# KiCad board niu.kicad_pcb
title: niu; rev: v1.0.0; company: Unknown
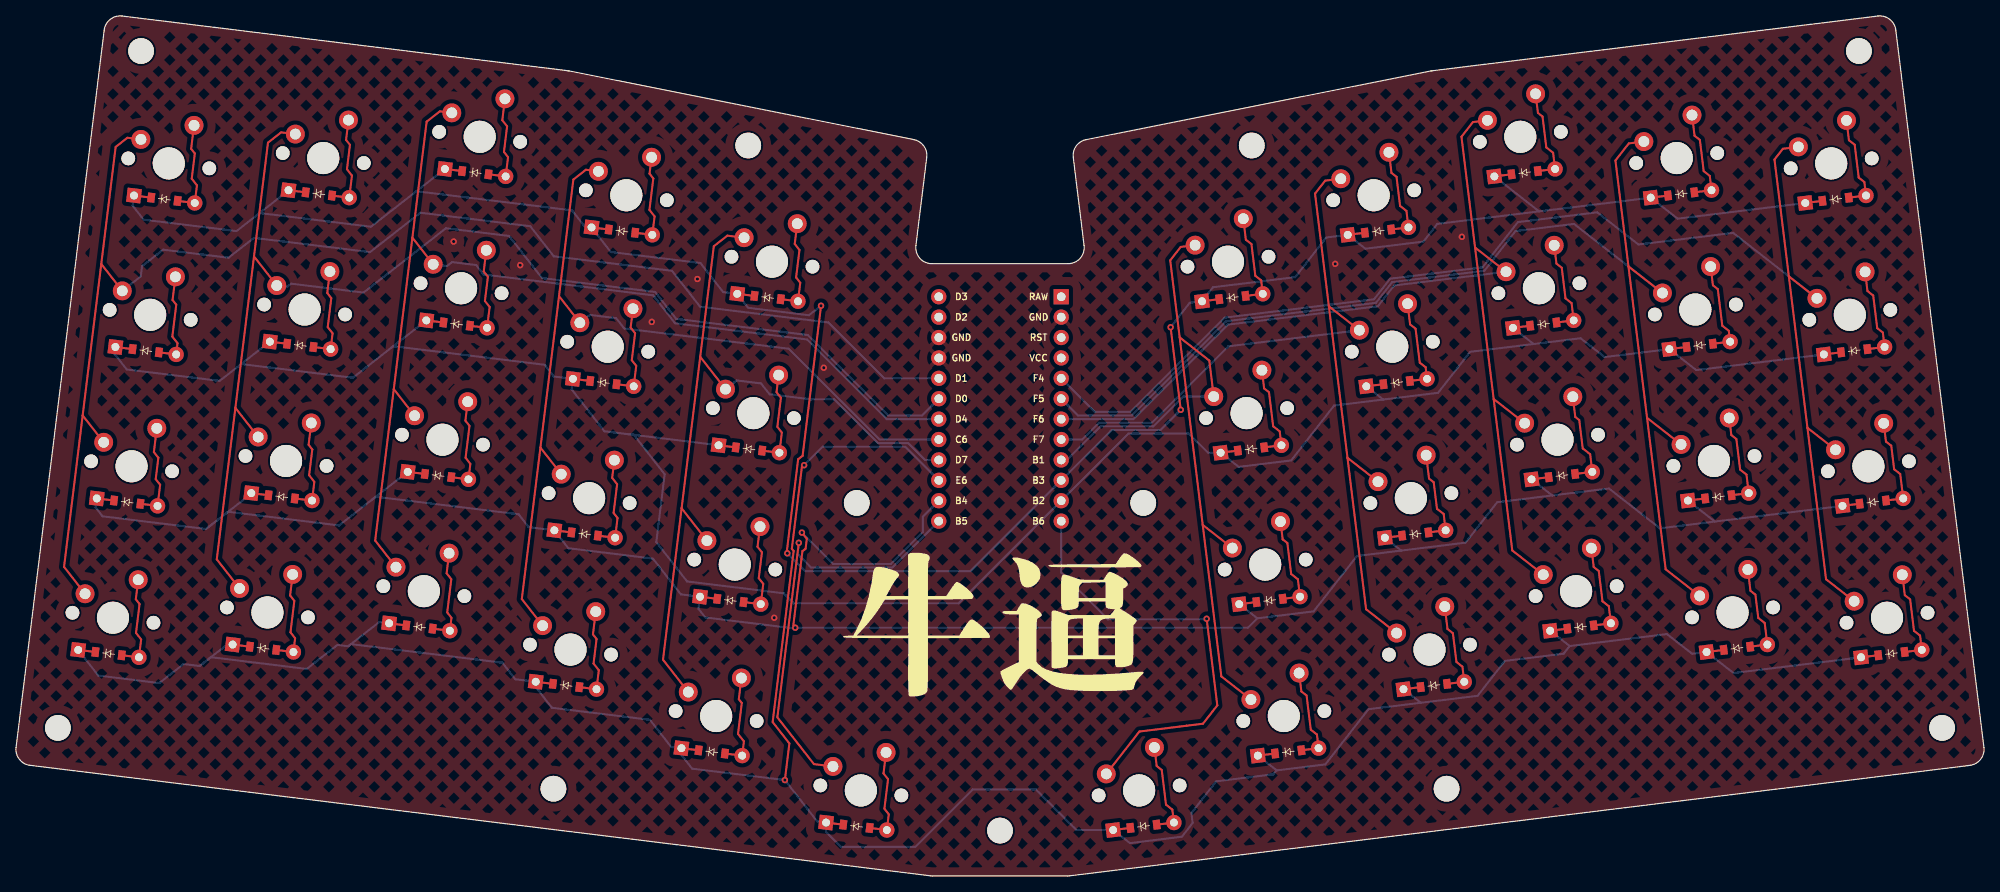
[diagram p0: board, top side]
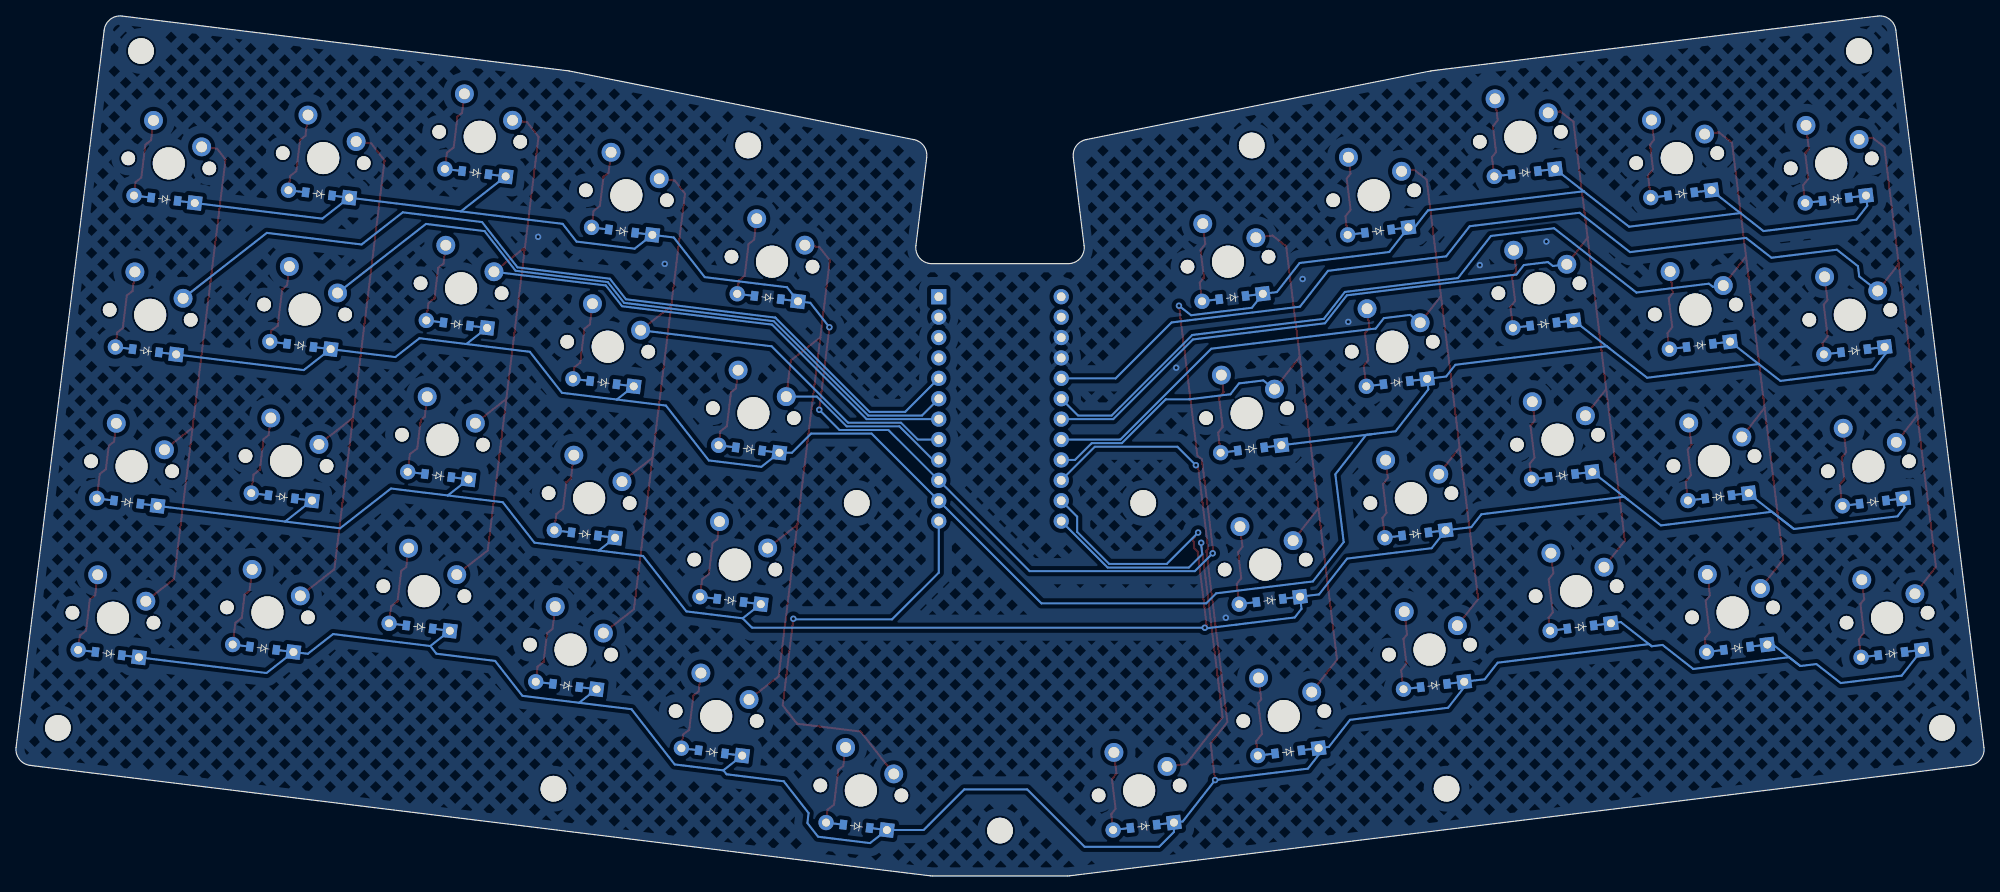
[diagram p1: board, bottom side, seen from below]

Outline 244.89 x 107.07 mm; copper layers: Top, Bottom. Coordinates in mm from the lower left corner of the outline.
Outline path: 0,16 10.97,105.33 arc(11.72,106.66) 13.2,107.07 68.71,100.25 arc(68.78,100.24) 68.85,100.23 111.74,91.69 arc(112.97,90.9) 113.33,89.48 111.98,78.48 arc(112.47,76.91) 113.96,76.24 130.93,76.24 arc(132.43,76.91) 132.91,78.48 131.56,89.48 arc(131.93,90.9) 133.16,91.69 176.04,100.23 arc(176.11,100.24) 176.19,100.25 231.7,107.07 arc(233.17,106.66) 233.93,105.33 244.89,16 arc(244.48,14.53) 243.15,13.77 131.12,0.01 arc(130.99,0) 130.87,0 114.02,0 arc(113.9,0) 113.78,0.01 1.74,13.77 arc(0.41,14.53) 0,16

## Placement (name value [footprint] x y rotation side)
D1  -  [ComboDiode]  11.51 27.68 353 top
D2  -  [ComboDiode]  13.83 46.54 353 top
D3  -  [ComboDiode]  16.14 65.4 353 top
D4  -  [ComboDiode]  18.46 84.26 353 top
D5  -  [ComboDiode]  30.73 28.35 353 top
D6  -  [ComboDiode]  33.05 47.2 353 top
D7  -  [ComboDiode]  35.36 66.06 353 top
D8  -  [ComboDiode]  37.68 84.92 353 top
D9  -  [ComboDiode]  50.2 30.99 353 top
D10  -  [ComboDiode]  52.52 49.85 353 top
D11  -  [ComboDiode]  54.83 68.71 353 top
D12  -  [ComboDiode]  57.15 87.57 353 top
D13  -  [ComboDiode]  68.45 23.72 353 top
D14  -  [ComboDiode]  70.77 42.57 353 top
D15  -  [ComboDiode]  73.08 61.43 353 top
D16  -  [ComboDiode]  75.4 80.29 353 top
D17  -  [ComboDiode]  86.58 15.44 353 top
D18  -  [ComboDiode]  88.89 34.3 353 top
D19  -  [ComboDiode]  91.21 53.16 353 top
D20  -  [ComboDiode]  93.52 72.02 353 top
D21  -  [ComboDiode]  104.58 6.18 353 top
D22  -  [ComboDiode]  233.38 27.68 7 top
D23  -  [ComboDiode]  231.07 46.54 7 top
D24  -  [ComboDiode]  228.75 65.4 7 top
D25  -  [ComboDiode]  226.44 84.26 7 top
D26  -  [ComboDiode]  214.16 28.35 7 top
D27  -  [ComboDiode]  211.84 47.2 7 top
D28  -  [ComboDiode]  209.53 66.06 7 top
D29  -  [ComboDiode]  207.21 84.92 7 top
D30  -  [ComboDiode]  194.69 30.99 7 top
D31  -  [ComboDiode]  192.38 49.85 7 top
D32  -  [ComboDiode]  190.06 68.71 7 top
D33  -  [ComboDiode]  187.75 87.57 7 top
D34  -  [ComboDiode]  176.44 23.72 7 top
D35  -  [ComboDiode]  174.13 42.57 7 top
D36  -  [ComboDiode]  171.81 61.43 7 top
D37  -  [ComboDiode]  169.5 80.29 7 top
D38  -  [ComboDiode]  158.32 15.44 7 top
D39  -  [ComboDiode]  156 34.3 7 top
D40  -  [ComboDiode]  153.69 53.16 7 top
D41  -  [ComboDiode]  151.37 72.02 7 top
D42  -  [ComboDiode]  140.31 6.18 7 top
G***  -  [LOGO]  121.98 31.63 0 top
MCU1  -  [ProMicro]  122.45 58.15 270 top
NOREF  -  [MountingHole_3.2mm_M3]  15.55 102.72 353 top
NOREF#2  -  [MountingHole_3.2mm_M3]  91.11 90.95 353 top
NOREF#3  -  [MountingHole_3.2mm_M3]  122.45 5.65 0 top
NOREF#4  -  [MountingHole_3.2mm_M3]  5.21 18.43 353 top
NOREF#5  -  [MountingHole_3.2mm_M3]  66.87 10.86 353 top
NOREF#6  -  [MountingHole_3.2mm_M3]  239.69 18.43 7 top
NOREF#7  -  [MountingHole_3.2mm_M3]  229.34 102.72 7 top
NOREF#8  -  [MountingHole_3.2mm_M3]  104.62 46.45 353 top
NOREF#9  -  [MountingHole_3.2mm_M3]  140.27 46.45 7 top
NOREF#10  -  [MountingHole_3.2mm_M3]  153.78 90.95 7 top
NOREF#11  -  [MountingHole_3.2mm_M3]  178.02 10.86 7 top
S1  -  [MX]  12.06 32.15 353 top
S2  -  [MX]  14.37 51.01 353 top
S3  -  [MX]  16.69 69.87 353 top
S4  -  [MX]  19 88.73 353 top
S5  -  [MX]  31.28 32.81 353 top
S6  -  [MX]  33.6 51.67 353 top
S7  -  [MX]  35.91 70.53 353 top
S8  -  [MX]  38.23 89.39 353 top
S9  -  [MX]  50.75 35.46 353 top
S10  -  [MX]  53.07 54.32 353 top
S11  -  [MX]  55.38 73.18 353 top
S12  -  [MX]  57.7 92.04 353 top
S13  -  [MX]  69 28.18 353 top
S14  -  [MX]  71.31 47.04 353 top
S15  -  [MX]  73.63 65.9 353 top
S16  -  [MX]  75.95 84.76 353 top
S17  -  [MX]  87.13 19.91 353 top
S18  -  [MX]  89.44 38.77 353 top
S19  -  [MX]  91.76 57.63 353 top
S20  -  [MX]  94.07 76.49 353 top
S21  -  [MX]  105.13 10.65 353 top
S22  -  [MX]  232.84 32.15 7 top
S23  -  [MX]  230.52 51.01 7 top
S24  -  [MX]  228.2 69.87 7 top
S25  -  [MX]  225.89 88.73 7 top
S26  -  [MX]  213.61 32.81 7 top
S27  -  [MX]  211.3 51.67 7 top
S28  -  [MX]  208.98 70.53 7 top
S29  -  [MX]  206.67 89.39 7 top
S30  -  [MX]  194.14 35.46 7 top
S31  -  [MX]  191.83 54.32 7 top
S32  -  [MX]  189.51 73.18 7 top
S33  -  [MX]  187.2 92.04 7 top
S34  -  [MX]  175.89 28.18 7 top
S35  -  [MX]  173.58 47.04 7 top
S36  -  [MX]  171.26 65.9 7 top
S37  -  [MX]  168.95 84.76 7 top
S38  -  [MX]  157.77 19.91 7 top
S39  -  [MX]  155.45 38.77 7 top
S40  -  [MX]  153.14 57.63 7 top
S41  -  [MX]  150.82 76.49 7 top
S42  -  [MX]  139.76 10.65 7 top

## Footprints (pads in the part's own frame, mm; a bottom-side part is the same pattern mirrored in y, then rotated)
ComboDiode
  rect 1.778x1.778 hole 0.991: 1(-3.81,0)
  rect 0.9x1.2 smd: 1(-1.65,0) 2(1.65,0)
  rect 0.9x1.2 smd far side: 1(-1.65,0) 2(1.65,0)
  round 1.905 hole 0.991: 2(3.81,0)
MountingHole_3.2mm_M3
  round 3.2 hole 3.2 unplated: (0,0)
MX
  round 1.702 hole 1.702 unplated: (-5.08,0) (5.08,0)
  round 3.988 hole 3.988 unplated: (0,0)
  round 2.35 hole 1.35: 1(2.54,5.08) 2(-3.81,2.54)
ProMicro
  rect 1.9x1.9 hole 1.092: 1(-13.97,7.62)
  round 1.9 hole 1.092: 2(-11.43,7.62) 3(-8.89,7.62) 4(-6.35,7.62) 5(-3.81,7.62) 6(-1.27,7.62) 7(1.27,7.62) 8(3.81,7.62) 9(6.35,7.62) 10(8.89,7.62) 11(11.43,7.62) 12(13.97,7.62) 13(-13.97,-7.62) 14(-11.43,-7.62) 15(-8.89,-7.62) 16(-6.35,-7.62) 17(-3.81,-7.62) 18(-1.27,-7.62) 19(1.27,-7.62) 20(3.81,-7.62) 21(6.35,-7.62) 22(8.89,-7.62) 23(11.43,-7.62) 24(13.97,-7.62)

## Nets
GND: MCU1.2 MCU1.15 MCU1.16
VCC: MCU1.4
B1: MCU1.9 S38.2 S39.2 S40.2 S41.2
B2: D3.1 D7.1 D11.1 D15.1 D19.1 D24.1 D28.1 D32.1 D36.1 D40.1 MCU1.11
B3: D4.1 D8.1 D12.1 D16.1 D20.1 D25.1 D29.1 D33.1 D37.1 D41.1 MCU1.10
B4: D2.1 D6.1 D10.1 D14.1 D18.1 D23.1 D27.1 D31.1 D35.1 D39.1 MCU1.23
B5: MCU1.24 S21.2
B6: MCU1.12 S42.2
C6: MCU1.20 S13.2 S14.2 S15.2 S16.2
D0: MCU1.18 S5.2 S6.2 S7.2 S8.2
D1: MCU1.17 S1.2 S2.2 S3.2 S4.2
D2: MCU1.14
D3: MCU1.13
D4: MCU1.19 S9.2 S10.2 S11.2 S12.2
D7: MCU1.21 S17.2 S18.2 S19.2 S20.2
E6: D1.1 D5.1 D9.1 D13.1 D17.1 D21.1 D22.1 D26.1 D30.1 D34.1 D38.1 D42.1 MCU1.22
F4: MCU1.5 S22.2 S23.2 S24.2 S25.2
F5: MCU1.6 S26.2 S27.2 S28.2 S29.2
F6: MCU1.7 S30.2 S31.2 S32.2 S33.2
F7: MCU1.8 S34.2 S35.2 S36.2 S37.2
index_bottom: D13.2 S13.1
index_home: D14.2 S14.1
index_num: D16.2 S16.1
index_top: D15.2 S15.1
inner_bottom: D17.2 S17.1
inner_home: D18.2 S18.1
inner_num: D20.2 S20.1
inner_top: D19.2 S19.1
middle_bottom: D9.2 S9.1
middle_home: D10.2 S10.1
middle_num: D12.2 S12.1
middle_top: D11.2 S11.1
mirror_index_bottom: D34.2 S34.1
mirror_index_home: D35.2 S35.1
mirror_index_num: D37.2 S37.1
mirror_index_top: D36.2 S36.1
mirror_inner_bottom: D38.2 S38.1
mirror_inner_home: D39.2 S39.1
mirror_inner_num: D41.2 S41.1
mirror_inner_top: D40.2 S40.1
mirror_middle_bottom: D30.2 S30.1
mirror_middle_home: D31.2 S31.1
mirror_middle_num: D33.2 S33.1
mirror_middle_top: D32.2 S32.1
mirror_pinky_bottom: D22.2 S22.1
mirror_pinky_home: D23.2 S23.1
mirror_pinky_num: D25.2 S25.1
mirror_pinky_top: D24.2 S24.1
mirror_ring_bottom: D26.2 S26.1
mirror_ring_home: D27.2 S27.1
mirror_ring_num: D29.2 S29.1
mirror_ring_top: D28.2 S28.1
mirror_thumb_bottom: D42.2 S42.1
pinky_bottom: D1.2 S1.1
pinky_home: D2.2 S2.1
pinky_num: D4.2 S4.1
pinky_top: D3.2 S3.1
RAW: MCU1.1
ring_bottom: D5.2 S5.1
ring_home: D6.2 S6.1
ring_num: D8.2 S8.1
ring_top: D7.2 S7.1
RST: MCU1.3
thumb_bottom: D21.2 S21.1

## Via types
v1: diameter 0.8, hole 0.4, Top to Bottom, 18 vias

## Routing (per net, layer and track width the routed paths; a pad name or vN(x,y) marks a point on that pad's centre or on a via; arc(x,y) is an arc through that point)
GND:
  vias: v1(54.46,78.99) v1(62.74,76.05) v1(79.11,68.99) v1(84.79,74.33) v1(94.35,32.15) v1(100.52,63.28) v1(164.17,76.21) v1(179.93,79.58)
B1: length 96.9
  Top w0.25: S38.2 149.99,24.85 147.67,43.71 ; 147.67,43.71 S39.2 ; 147.67,43.71 144.81,67.05 ; 144.81,67.05 143.63,76.65 144.93,78.32 S41.2 ; 144.81,67.05 148.49,64.17 S40.2
  Bottom w0.25: S40.2 145.23,59.68 141.53,55.98 134.95,55.98 130.77,51.8 MCU1.9
B2: length 326.6
  Top w0.25: D32.1 D32.1 ; D7.1 D7.1 ; D24.1 D24.1 ; D11.1 D11.1 ; D19.1 D19.1 ; D40.1 D40.1 ; D3.1 D3.1 ; D15.1 D15.1 ; D28.1 D28.1 ; D36.1 D36.1
  Bottom w0.25: D40.1 152.15,50.94 158.69,51.74 164.02,58.57 170.14,59.32 ; D40.1 148.34,52.7 145.96,55.08 138.43,55.08 MCU1.11 117.29,33.94 96.78,33.94 95.54,35.19 83.51,36.67 79.68,41.57 80.71,50.02 76.88,54.92 75.84,55.05 ; D40.1 149.52,52.2 ; D40.1 D40.1 ; 46.62,65.71 D11.1 D11.1 ; 46.62,65.71 46.94,65.96 65.78,63.65 66.92,62.19 D15.1 ; 46.62,65.71 41.91,62.03 28.01,63.74 28.01,63.74 ; D7.1 D7.1 28.01,63.74 ; 188.85,66.24 180.96,65.27 176.97,60.16 170.14,59.32 ; 188.85,66.24 D32.1 D32.1 ; 188.85,66.24 194.69,66.95 197.69,64.61 D28.1 ; 75.84,55.05 D19.1 D19.1 ; 75.84,55.05 73.22,55.37 69.14,60.59 D15.1 ; D36.1 D36.1 170.14,59.32 ; D28.1 D28.1 ; D28.1 209.09,62.99 D24.1 D24.1 ; D15.1 D15.1 ; D3.1 D3.1 12.25,65.01 13.77,63.06 25.33,61.64 28.01,63.74
B3: length 342.1
  Top w0.25: D12.1 D12.1 ; D16.1 D16.1 ; D37.1 D37.1 ; v1(100.18,71) 97.88,52.32 97.33,51.89 95.9,40.27 v1(95.98,40.17) ; D41.1 D41.1 ; D25.1 D25.1 ; v1(143.68,68.32) v1(144.94,58.04) ; D29.1 D29.1 ; D8.1 D8.1 ; D20.1 D20.1 ; D4.1 D4.1 ; 186.11,87.37 D33.1
  Bottom w0.25: 49.81,85.26 49.82,85.25 69.19,82.87 70.77,80.86 D16.1 ; 49.81,85.26 44.16,80.84 30.3,82.54 ; 49.81,85.26 D12.1 D12.1 ; D29.1 189.54,82.75 ; D29.1 D29.1 ; D29.1 206.78,81.85 D25.1 D25.1 ; 189.54,82.75 D33.1 186.11,87.37 ; 189.54,82.75 176.87,81.2 175.15,78.99 167.92,78.1 D37.1 ; 30.3,82.54 27.43,80.29 15.87,81.71 14.52,83.45 D4.1 D4.1 ; 30.3,82.54 33.89,85.35 D8.1 D8.1 ; v1(95.98,40.17) 98.2,37.95 118.76,37.95 MCU1.10 136.34,55.53 142.43,55.53 v1(144.94,58.04) ; D20.1 D20.1 ; D20.1 87.99,72.7 85.16,76.32 74.01,77.69 D16.1 ; D20.1 91.1,70.75 92.16,70.62 98.66,69.82 v1(100.18,71) ; D41.1 D41.1 ; D41.1 148.96,73.31 159.19,74.56 163.05,79.5 D37.1 ; D41.1 146.06,71.37 v1(143.68,68.32) ; D16.1 D16.1 ; D37.1 D37.1
B4: length 340.3
  Top w0.25: D2.1 D2.1 ; D35.1 D35.1 ; D14.1 D14.1 ; D18.1 D18.1 ; D27.1 D27.1 ; D39.1 D39.1 ; D31.1 D31.1 ; 96.73,31.21 97.74,39.46 97.86,40.44 98.25,40.75 98.4,41.97 v1(97.79,42.75) ; D10.1 D10.1 ; D6.1 D6.1 ; D23.1 D23.1
  Bottom w0.25: 211.41,44.13 204.57,43.29 198.23,48.24 191.17,47.38 ; 211.41,44.13 D27.1 D27.1 ; 211.41,44.13 D23.1 D23.1 ; D14.1 68.73,40.81 79.25,39.51 82.73,35.06 D18.1 ; D14.1 D14.1 ; D14.1 63.79,43.43 62.54,45.03 44.77,47.21 44.35,46.89 ; 172.38,40.52 166.87,39.84 161.48,32.94 154.47,32.08 ; 172.38,40.52 180.39,41.5 184.32,46.54 191.17,47.38 ; 172.38,40.52 D35.1 D35.1 ; 23.64,43.2 10.75,44.78 9.9,45.87 D2.1 D2.1 ; 23.64,43.2 26.38,45.34 40.2,43.65 44.35,46.89 ; 23.64,43.2 29.26,47.59 D6.1 D6.1 ; 154.47,32.08 153.3,30.91 v1(96.96,30.91) 96.85,30.82 85.77,32.18 84.93,33.26 D18.1 ; 154.47,32.08 D39.1 D39.1 ; v1(97.79,42.75) 101.69,38.85 108.86,38.85 112.84,42.84 112.84,44.74 MCU1.23 ; 191.17,47.38 D31.1 D31.1 ; D10.1 D10.1 44.35,46.89 ; D18.1 D18.1
B5: length 53.8
  Top w0.25: S21.2 99.29,13.92 94.74,19.75 v1(97.41,41.48)
  Bottom w0.25: MCU1.24 109.05,38.4 98.94,38.4 97.28,40.06 97.45,41.44 v1(97.41,41.48)
B6: length 55.4
  Top w0.25: S42.2 139.8,17.98 145.67,18.7 147.7,18.95 149.49,21.24 v1(148.17,32.02)
  Bottom w0.25: v1(148.17,32.02) 148.1,31.95 135.88,31.95 130.07,37.76 MCU1.12
C6: length 119.3
  Top w0.25: 65.25,53.34 S14.2 ; 65.25,53.34 67.57,72.2 ; 65.25,53.34 62.94,34.48 S13.2 ; 67.57,72.2 S15.2 ; 67.57,72.2 69.35,86.71 70.91,87.93 S16.2
  Bottom w0.25: MCU1.20 107.46,54.34 96.15,65.65 75.69,68.16 74.68,69.46 71.4,69.86 S15.2
D0: length 164.8
  Top w0.25: 29.61,77.14 27.29,58.28 ; 29.61,77.14 31.35,91.31 32.99,92.59 S8.2 ; 29.61,77.14 S7.2 ; 27.29,58.28 S6.2 ; 27.29,58.28 24.98,39.42 S5.2
  Bottom w0.25: MCU1.18 112.74,57.33 108.55,57.33 98.52,67.35 82.15,69.37 79.53,72.72 65.45,74.45 61.36,79.69 53.49,80.65 43.24,72.64 34.23,73.75 33.73,73.36 S7.2
D1: length 183
  Top w0.25: 8.29,57.34 5.97,38.48 S1.2 ; 8.29,57.34 10.6,76.2 ; 8.29,57.34 S2.2 ; S4.2 13.85,91.92 12.39,90.77 10.6,76.2 ; 10.6,76.2 S3.2
  Bottom w0.25: MCU1.17 108.05,61.96 101.09,68.92 85.12,70.88 81.63,75.35 66.92,77.15 63.99,80.9 50.32,82.58 44.04,77.68 29.6,79.45 26.43,76.98 18.3,77.98 15.68,75.93 15.52,74.65 S3.2
D4: length 138.5
  Top w0.25: S9.2 44.69,41.76 47,60.62 ; 47,60.62 S10.2 ; 47,60.62 49.32,79.48 ; S12.2 52.73,95.2 51.09,93.92 49.32,79.48 ; 49.32,79.48 S11.2
  Bottom w0.25: S11.2 53.63,75.95 54.26,76.44 57.25,76.07 58.18,74.89 79.29,72.29 82,68.82 98.44,66.8 108.36,56.88 MCU1.19
D7: length 102.2
  Top w0.25: 82.82,45.78 S18.2 ; 82.82,45.78 80.51,26.92 S17.2 ; 82.82,45.78 85.14,64.64 ; S20.2 88.52,79.73 86.83,78.41 85.14,64.64 ; 85.14,64.64 S19.2
  Bottom w0.25: S19.2 89.68,61.7 92.71,61.33 93.77,59.98 98.89,59.35 101.82,59.35 107.28,53.89 111.03,53.89 113.12,51.8 MCU1.21
E6: length 387.2
  Top w0.25: D30.1 D30.1 ; D17.1 D17.1 ; D1.1 D1.1 ; D13.1 D13.1 ; D34.1 D34.1 ; D38.1 D38.1 ; D26.1 D26.1 ; D9.1 D9.1 ; D21.1 D21.1 ; v1(95.67,11.94) 96.23,16.5 94.15,19.16 96.77,40.46 96.54,40.75 97.79,50.93 v1(98.07,51.14) ; D22.1 D22.1 ; D42.1 D42.1 ; D5.1 D5.1
  Bottom w0.25: 22.84,26.14 26.36,28.88 D5.1 D5.1 ; 22.84,26.14 20.85,26.38 17.82,24.02 10.23,24.95 D1.1 D1.1 ; 22.84,26.14 24.25,27.24 36.17,25.77 40,28.76 41.34,28.6 ; 193.34,28.63 D30.1 D30.1 ; 193.34,28.63 192.59,27.67 185.28,26.78 181.88,22.43 174.82,21.56 ; 193.34,28.63 205.44,30.12 208.58,27.66 D26.1 ; 156.87,13.16 156.87,13.14 162.93,13.89 168.3,20.76 174.82,21.56 ; 156.87,13.16 D38.1 D38.1 ; 156.87,13.16 156.48,12.66 149.36,11.79 146.27,7.83 146.42,6.59 145.09,4.88 138.61,4.09 D42.1 ; D21.1 100.8,5.47 102.65,3.62 111.91,3.62 119.06,10.77 126.9,10.77 131.32,6.35 131.96,5.72 D42.1 ; D21.1 D21.1 ; D21.1 99.7,6.78 v1(95.67,11.94) 84.13,13.35 82.71,15.18 D17.1 ; D13.1 64.6,23.61 66.69,20.94 78.88,19.44 81.52,16.07 D17.1 ; D13.1 D13.1 ; D13.1 62.12,24.49 60.51,26.55 41.68,28.86 41.34,28.6 ; D42.1 D42.1 ; D26.1 213.72,25.27 D22.1 D22.1 ; D26.1 D26.1 ; D17.1 D17.1 ; 174.82,21.56 D34.1 D34.1 ; 98.26,51.29 v1(98.07,51.14) 100.37,53.44 110.65,53.44 MCU1.22 ; 41.34,28.6 45.19,31.61 D9.1 D9.1
F4: length 178.8
  Top w0.25: 220.62,74.66 218.83,89.21 219.87,90.55 S25.2 ; 220.62,74.66 222.93,55.8 ; 220.62,74.66 S24.2 ; 222.93,55.8 S23.2 ; 222.93,55.8 225.25,36.94 S22.2
  Bottom w0.25: S24.2 213.68,80.07 201.89,78.63 196.77,82.63 186.9,81.42 182.49,75.78 171,74.37 169,71.81 150.41,69.52 150.41,69.52 138.67,57.78 134.25,57.78 MCU1.5
F5: length 159.5
  Top w0.25: 200.66,75.89 199.04,89.09 200.7,91.21 S29.2 ; 200.66,75.89 202.97,57.03 ; 200.66,75.89 S28.2 ; S26.2 205.29,38.18 202.97,57.03 ; 202.97,57.03 S27.2
  Bottom w0.25: S28.2 193.88,81.19 186.59,80.29 182.73,75.36 171.25,73.95 169.23,71.36 150.6,69.07 138.86,57.33 132.16,57.33 MCU1.6
F6: length 132.4
  Top w0.25: S33.2 181.3,93.87 179.87,92.04 181.57,78.24 ; 183.88,59.39 186.2,40.53 S30.2 ; 183.88,59.39 181.57,78.24 ; 183.88,59.39 S31.2 ; 181.57,78.24 S32.2
  Bottom w0.25: MCU1.7 139.04,56.88 150.81,68.65 169.48,70.94 171.5,73.52 S32.2
F7: length 112.6
  Top w0.25: 165.69,52.06 168.01,33.21 S34.2 ; 165.69,52.06 163.37,70.92 ; 165.69,52.06 S35.2 ; 163.37,70.92 S36.2 ; 163.37,70.92 161.65,84.96 162.91,86.58 S37.2
  Bottom w0.25: MCU1.8 132.68,54.34 134.77,56.43 141.34,56.43 150.87,65.95 S36.2
index_bottom: length 14.4
  Top w0.25: D13.2 D13.2 72.52,25.61 71.87,26.45 72.24,29.5 71.79,30.08 S13.1
  Bottom w0.25: D13.2 D13.2
index_home: length 14.4
  Top w0.25: D14.2 D14.2 74.85,44.58 74.36,45.2 74.8,48.78 74.18,49.56 S14.1
  Bottom w0.25: D14.2 D14.2
index_num: length 14.4
  Top w0.25: S16.1 78.83,87.44 79.3,86.84 78.82,82.94 79.46,82.12 D16.2 D16.2
  Bottom w0.25: D16.2 D16.2
index_top: length 14.4
  Top w0.25: S15.1 76.48,68.28 77.04,67.57 76.62,64.22 77.18,63.51 D15.2 D15.2
  Bottom w0.25: D15.2 D15.2
inner_bottom: length 14.4
  Top w0.25: D17.2 D17.2 90.58,16.75 89.84,17.69 90.31,21.53 89.94,22.01 S17.1
  Bottom w0.25: D17.2 D17.2
inner_home: length 14.4
  Top w0.25: D18.2 D18.2 92.98,36.36 92.42,37.08 92.82,40.29 92.27,40.99 S18.1
  Bottom w0.25: D18.2 D18.2
inner_num: length 14.4
  Top w0.25: 95.16,71.82 D20.2 97.59,73.86 97.07,74.52 97.49,77.94 96.9,78.69 S20.1
  Bottom w0.25: 95.16,71.82 D20.2
inner_top: length 14.4
  Top w0.25: S19.1 94.64,60.24 95.18,59.54 94.74,55.92 95.3,55.2 D19.2 D19.2
  Bottom w0.25: D19.2 D19.2
middle_bottom: length 14.4
  Top w0.25: D9.2 D9.2 54.18,32.14 53.66,32.81 54.16,36.94 53.58,37.69 S9.1
  Bottom w0.25: D9.2 D9.2
middle_home: length 14.4
  Top w0.25: D10.2 D10.2 56.53,51.31 55.94,52.07 56.43,56.04 55.92,56.69 S10.1
  Bottom w0.25: D10.2 D10.2
middle_num: length 14.4
  Top w0.25: D12.2 D12.2 61.22,89.5 60.72,90.15 61.11,93.34 60.51,94.1 S12.1
  Bottom w0.25: D12.2 D12.2
middle_top: length 14.4
  Top w0.25: D11.2 D11.2 58.93,70.84 58.35,71.59 58.72,74.61 58.2,75.27 S11.1
  Bottom w0.25: D11.2 D11.2
mirror_index_bottom: length 14.4
  Top w0.25: D34.2 D34.2 179.99,26.06 179.25,26.64 178.81,30.22 178.14,30.75 S34.1
  Bottom w0.25: D34.2 D34.2
mirror_index_home: length 14.4
  Top w0.25: S35.1 175.84,49.48 176.42,49.02 176.83,45.72 177.66,45.07 D35.2 D35.2
  Bottom w0.25: D35.2 D35.2
mirror_index_num: length 14.4
  Top w0.25: D37.2 D37.2 173.03,82.81 172.24,83.43 171.79,87.05 171.17,87.54 S37.1
  Bottom w0.25: D37.2 D37.2
mirror_index_top: length 14.4
  Top w0.25: S36.1 173.48,68.67 174.16,68.14 174.68,63.91 175.42,63.34 D36.2 D36.2
  Bottom w0.25: D36.2 D36.2
mirror_inner_bottom: length 14.4
  Top w0.25: D38.2 D38.2 161.89,17.61 161.12,18.21 160.6,22.47 159.95,22.97 S38.1
  Bottom w0.25: D38.2 D38.2
mirror_inner_home: length 14.4
  Top w0.25: S39.1 157.63,41.91 158.21,41.46 158.68,37.6 159.51,36.94 D39.2 D39.2
  Bottom w0.25: D39.2 D39.2
mirror_inner_num: length 14.4
  Top w0.25: D41.2 D41.2 154.94,74.16 154.22,74.73 153.74,78.68 153.04,79.22 S41.1
  Bottom w0.25: D41.2 D41.2
mirror_inner_top: length 14.4
  Top w0.25: S40.1 155.32,60.7 155.92,60.23 156.44,55.99 157.25,55.36 D40.2 D40.2
  Bottom w0.25: D40.2 D40.2
mirror_middle_bottom: length 14.4
  Top w0.25: D30.2 D30.2 198.21,33.58 197.42,34.2 196.96,37.97 196.33,38.46 S30.1
  Bottom w0.25: D30.2 D30.2
mirror_middle_home: length 14.4
  Top w0.25: S31.1 194.04,57.15 194.53,56.77 194.97,53.23 195.89,52.51 D31.2 D31.2
  Bottom w0.25: D31.2 D31.2
mirror_middle_num: length 14.4
  Top w0.25: S33.1 189.39,95.01 189.96,94.56 190.43,90.71 191.28,90.05 D33.2 D33.2
  Bottom w0.25: D33.2 D33.2
mirror_middle_top: length 14.4
  Top w0.25: D32.2 D32.2 193.58,71.32 192.82,71.91 192.35,75.73 191.69,76.25 S32.1
  Bottom w0.25: D32.2 D32.2
mirror_pinky_bottom: length 14.4
  Top w0.25: S22.1 235.05,34.95 235.71,34.44 236.19,30.52 236.95,29.93 D22.2 D22.2
  Bottom w0.25: D22.2 D22.2
mirror_pinky_home: length 14.4
  Top w0.25: D23.2 D23.2 234.48,50.05 233.72,50.64 233.36,53.57 232.7,54.08 S23.1
  Bottom w0.25: D23.2 D23.2
mirror_pinky_num: length 14.4
  Top w0.25: S25.1 228.09,91.61 228.81,91.05 229.31,86.95 230.01,86.4 D25.2 D25.2
  Bottom w0.25: D25.2 D25.2
mirror_pinky_top: length 14.4
  Top w0.25: D24.2 D24.2 232.31,67.66 231.61,68.21 231.12,72.27 230.4,72.83 S24.1
  Bottom w0.25: D24.2 D24.2
mirror_ring_bottom: length 14.4
  Top w0.25: D26.2 D26.2 217.61,31.5 216.81,32.13 216.46,35.03 215.84,35.51 S26.1
  Bottom w0.25: D26.2 D26.2
mirror_ring_home: length 14.4
  Top w0.25: S27.1 213.46,54.89 214.09,54.4 214.55,50.59 215.34,49.97 D27.2 D27.2
  Bottom w0.25: D27.2 D27.2
mirror_ring_num: length 14.4
  Top w0.25: D29.2 D29.2 210.78,87.17 210.02,87.76 209.54,91.65 208.88,92.16 S29.1
  Bottom w0.25: D29.2 D29.2
mirror_ring_top: length 14.4
  Top w0.25: D28.2 D28.2 213.14,67.88 212.33,68.51 211.77,73.07 211.17,73.54 S28.1
  Bottom w0.25: D28.2 D28.2
mirror_thumb_bottom: length 14.4
  Top w0.25: D42.2 D42.2 143.89,8.26 143.11,8.87 142.57,13.2 141.95,13.69 S42.1
  Bottom w0.25: D42.2 D42.2
pinky_bottom: length 14.4
  Top w0.25: S1.1 14.9,34.46 15.37,33.86 14.93,30.26 15.56,29.45 D1.2 D1.2
  Bottom w0.25: D1.2 D1.2
pinky_home: length 14.4
  Top w0.25: D2.2 D2.2 17.93,48.7 17.38,49.41 17.7,52.07 17.15,52.78 S2.1
  Bottom w0.25: D2.2 D2.2
pinky_num: length 14.4
  Top w0.25: S4.1 21.79,90.54 22.25,89.96 21.86,86.82 22.51,85.99 D4.2 D4.2
  Bottom w0.25: D4.2 D4.2
pinky_top: length 14.4
  Top w0.25: S3.1 19.48,71.72 19.93,71.13 19.45,67.16 20.09,66.33 D3.2 D3.2
  Bottom w0.25: D3.2 D3.2
ring_bottom: length 14.4
  Top w0.25: D5.2 D5.2 34.73,29.59 34.15,30.33 34.63,34.25 34.1,34.93 S5.1
  Bottom w0.25: D5.2 D5.2
ring_home: length 14.4
  Top w0.25: S6.1 36.4,53.69 36.86,53.1 36.47,49.9 37.12,49.07 D6.2 D6.2
  Bottom w0.25: D6.2 D6.2
ring_num: length 14.4
  Top w0.25: S8.1 41.07,91.65 41.55,91.03 41.18,88 41.8,87.2 D8.2 D8.2
  Bottom w0.25: D8.2 D8.2
ring_top: length 14.4
  Top w0.25: S7.1 38.72,72.59 39.23,71.94 38.78,68.34 39.39,67.57 D7.2 D7.2
  Bottom w0.25: D7.2 D7.2
thumb_bottom: length 14.4
  Top w0.25: D21.2 D21.2 108.61,7.68 108.06,8.37 108.51,12.04 107.95,12.76 S21.1
  Bottom w0.25: D21.2 D21.2

## Copper pours and planes (outline as drawn; the poured copper is in the pictures)
GND on Top, Bottom: -14.21,131.59 257.26,131.59 257.26,-16.71 -14.72,-16.31
